# Altium PCB 0.PCB1.PcbDoc (part 3 of 12) (continued)
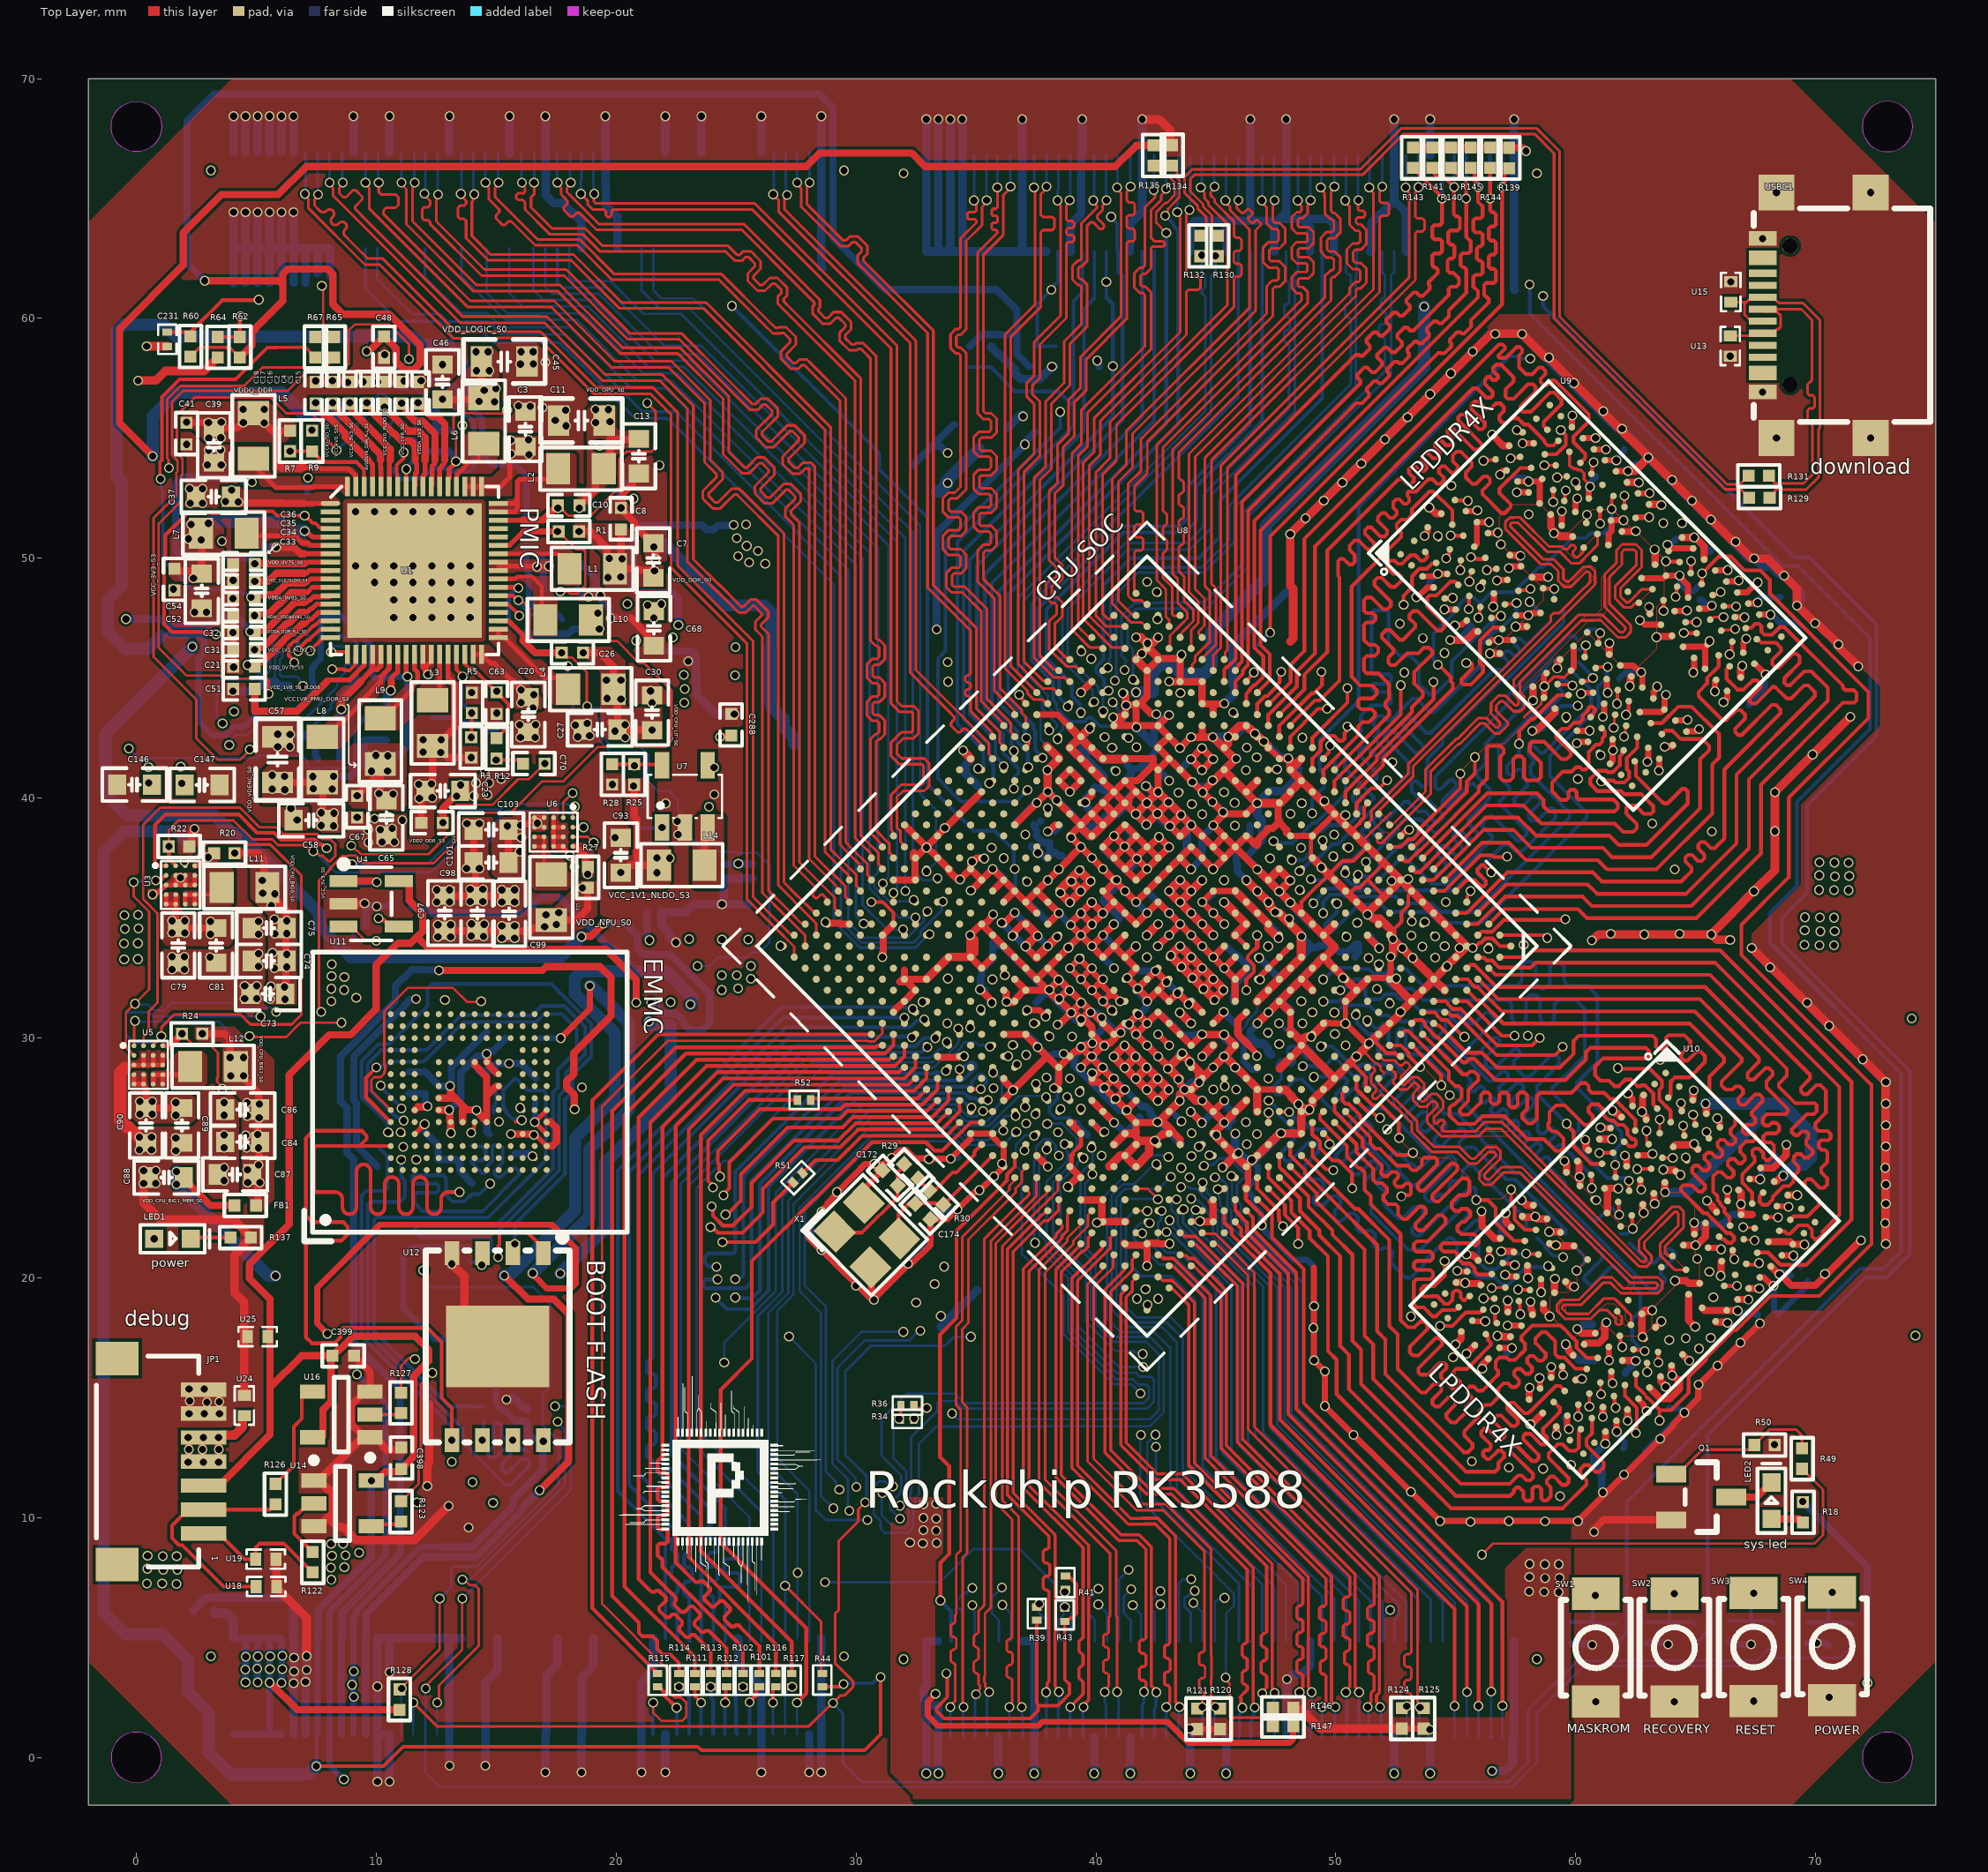
[diagram p0: Top Layer view]
## Nets (pads, with @x,y where several pads share a name; then routed paths per layer and width w, separated by ;. In a path a pad name is that pad's centre, name@x,y a point inside that pad or via, vN(x,y) a via of type N, cw(c..) or ccw(c..) an arc to the next point about the centre after c; other vN are vias at no path point) (continued)
DDR_CH0_DQ0_B: U8.H1 U9.AA2 | length 16.7
  Top Layer w0.156: U8.H1@54.08,37.043 56.22,39.183 57.607,39.183 58.359,38.431 61.412,38.431 61.802,38.041 62.942,38.041 64.676,39.775 64.676,40.269 64.562,40.382 64.433,40.382 63.826,39.776 63.696,39.776 63.644,39.828 ; U9.AA2@62.459,41.534 62.516,41.477 62.516,40.92 63.621,39.815 63.631,39.815
DDR_CH0_DQ1_A: U8.T2 U9.C2 | length 16.1
  Top Layer w0.156: U8.T2@49.944,40.26 49.944,40.718 52.709,43.483 v1@52.709,44.692 ; v1@52.817,48.104 52.817,48.427 53.176,48.787 53.176,49.249 53.486,49.559 53.793,49.559 54.017,49.783 54.162,49.783 U9.C2@54.186,49.807
  Layer 4 w0.142: 52.189,45.559 52.3,45.671 52.863,45.671 53.003,45.811 53.003,45.929 52.881,46.052 52.3,46.052 52.189,46.163 52.189,46.322 52.3,46.433 53.069,46.433 53.152,46.516 53.152,46.731 53.069,46.814 52.3,46.814 52.189,46.925 52.189,47.45 52.817,48.078 v1@52.817,48.114 ; 52.194,45.553 52.145,45.504 52.145,45.283 52.217,45.212 52.382,45.212 52.466,45.129 52.466,44.994 52.189,44.717 52.189,44.466 52.272,44.382 52.39,44.382 v1(52.709,44.701)
  other v1: 52.829,48.055
DDR_CH0_DQ1_B: U8.J2 U9.Y2 | length 19.1
  Top Layer w0.156: U8.J2@53.161,37.043 53.191,37.043 53.325,36.909 53.494,36.909 54.402,37.817 56.276,39.691 57.818,39.691 58.569,38.939 61.622,38.939 61.977,38.585 62.398,38.585 62.546,38.734 62.546,38.913 62.118,39.342 62.118,39.599 62.209,39.69 62.488,39.69 62.543,39.636 62.836,39.342 63.142,39.342 63.234,39.434 63.234,39.663 62.731,40.166 62.013,40.166 61.887,40.291 60.903,40.291 60.612,40.582 60.612,40.812 60.874,41.074 60.934,41.135 61.276,41.135 61.329,41.082 61.551,41.082 61.837,41.367 61.837,41.735 61.934,41.833 61.934,41.895 62,41.96 U9.Y2@61.999,41.993
DDR_CH0_DQ2_A: U8.T1 U9.E2 | length 18.5
  Top Layer w0.156: U8.T1@50.404,40.72 51.455,41.771 51.455,41.862 53.176,43.583 53.176,43.794 53.625,44.243 53.625,44.422 53.266,44.782 53.266,45.245 54.022,46.001 54.022,46.131 53.888,46.264 53.671,46.264 53.446,46.039 52.975,46.039 52.473,45.537 52.284,45.537 52.193,45.629 52.193,45.861 52.405,46.073 52.405,46.203 51.914,46.693 51.914,46.823 52.092,47.001 52.27,47.001 52.669,46.601 52.799,46.601 53.315,47.117 53.315,47.247 53.068,47.494 53.068,47.637 53.229,47.797 53.408,47.797 54.217,46.988 54.397,46.988 54.524,47.115 54.524,47.295 53.805,48.014 53.805,48.338 53.912,48.445 54.2,48.445 54.784,49.029 54.963,49.029 U9.E2@55.105,48.887
DDR_CH0_DQ2_B: U8.J1 U9.V2 | length 17.8
  Top Layer w0.156: U8.J1@53.621,37.502 56.317,40.199 58.387,40.199 58.654,39.932 58.654,39.665 58.871,39.448 61.631,39.448 61.758,39.575 61.758,39.754 61.571,39.942 60.129,39.942 60.037,40.033 60.037,40.252 59.946,40.343 59.786,40.343 59.694,40.252 59.694,40.011 59.603,39.919 59.386,39.919 59.013,40.291 59.013,40.651 59.462,41.1 59.821,41.1 60.001,41.279 60.181,41.279 60.271,41.189 60.413,41.189 60.54,41.317 60.54,41.921 60.848,42.229 60.99,42.229 61.117,42.356 61.117,42.498 61.216,42.597 61.216,42.777 U9.V2@61.08,42.912
DDR_CH0_DQ3_A: U8.R2 U9.F2 | length 16
  Top Layer w0.156: U8.R2@50.404,39.801 50.403,40.262 51.713,41.571 51.713,41.755 54.075,44.117 v1@54.075,44.835 ; v1(55.538,47.88) 55.551,47.894 55.551,48.415 U9.F2@55.565,48.428
  Layer 4 w0.142: v1(54.075,44.845) 54.182,44.845 54.951,45.614 54.951,45.823 55.34,46.212 55.34,46.331 55.166,46.505 55.166,46.785 55.308,46.927 55.455,46.927 55.978,46.404 56.215,46.404 56.309,46.498 56.309,46.647 56.091,46.865 56.091,46.974 56.211,47.094 56.253,47.094 ; v1(55.538,47.88) 55.538,47.902 55.768,48.132 56.039,48.132 56.416,48.509 56.841,48.509 57.092,48.258 57.092,47.97 57.374,47.688 57.374,47.564 56.901,47.09 56.88,47.09 ; 56.257,47.092 56.88,47.092
DDR_CH0_DQ3_B: U8.K2 U9.U2 | length 19.5
  Top Layer w0.156: U8.K2@52.702,37.502 52.732,37.502 52.865,37.369 53.035,37.369 53.489,37.822 53.516,37.822 53.957,38.263 55.964,40.27 55.964,40.475 56.306,40.817 56.306,42.084 56.398,42.176 56.858,42.176 56.992,42.042 56.992,41.862 56.858,41.728 56.858,40.85 56.985,40.723 57.252,40.723 57.397,40.868 57.397,41.62 57.523,41.746 57.719,41.746 57.846,41.619 57.846,40.868 57.973,40.74 58.419,40.74 58.546,40.868 58.546,41.477 58.092,41.931 58.092,42.256 58.183,42.347 58.682,42.347 59.408,41.62 59.624,41.62 59.803,41.799 59.803,41.927 59.193,42.536 59.193,42.662 59.426,42.896 59.683,42.896 59.932,43.145 60.164,43.145 60.291,43.272 60.291,43.444 60.305,43.444 60.536,43.675 60.536,43.749 60.591,43.804 60.709,43.804 60.809,43.703 60.809,43.631 60.737,43.559 60.737,43.488 U9.U2@60.621,43.372
DDR_CH0_DQ4_A: U8.W1 U9.F4 | length 15.9
  Top Layer w0.156: U8.W1@49.025,42.099 49.025,42.516 50.482,43.973 v1(50.482,44.584) ; v1(56.289,49.506) 56.318,49.536 56.673,49.536 U9.F4@56.696,49.559
  Layer 4 w0.142: v1@50.483,44.594 50.574,44.685 50.574,48.026 52.817,50.269 52.817,50.988 53.446,51.616 54.883,51.616 55.332,51.167 55.332,50.936 56.309,49.959 56.309,49.526 v1(56.289,49.506)
DDR_CH0_DQ4_B: U8.F1 U9.U4 | length 14.9
  Top Layer w0.156: U8.F1@55,36.123 55.45,36.574 55.798,36.574 56.052,36.32 56.172,36.32 56.255,36.403 56.255,36.548 55.9,36.904 55.9,37.031 56.077,37.209 56.154,37.209 56.408,36.955 v1@56.458,36.955 ; v1(61.724,43.932) 61.738,43.946 61.738,44.49 U9.U4@61.752,44.503
  Layer 4 w0.142: v1(56.484,36.904) 56.56,36.904 56.755,37.099 56.755,37.217 56.56,37.412 56.56,37.666 56.662,37.768 ; 56.661,37.769 57.308,38.415 58.026,38.415 59.104,39.493 60.427,39.493 61.615,40.681 61.615,41.057 61.977,41.42 61.977,41.936 62.426,42.385 62.426,42.674 62.104,42.996 62.051,42.996 61.727,43.32 61.727,43.929 v1(61.724,43.932)
DDR_CH0_DQ5_A: U8.V2 U9.E4 | length 15.1
  Top Layer w0.156: U8.V2@49.025,41.18 49.025,41.647 49.37,41.992 49.37,42.351 49.613,42.594 49.931,42.594 50.141,42.383 50.271,42.383 50.362,42.475 50.362,42.695 50.433,42.766 50.433,42.932 v1(50.489,42.988) ; v1(55.632,50.047) 55.68,49.998 55.823,49.998 55.862,49.96 56.144,49.96 56.203,50.019 U9.E4@56.237,50.019
  Layer 4 w0.142: v1@50.515,43.076 50.599,43.076 50.726,43.203 50.972,43.203 51.099,43.33 51.099,43.457 50.933,43.624 50.933,43.742 51.016,43.825 51.261,43.825 51.344,43.909 51.344,47.704 53.812,50.172 53.812,50.372 53.977,50.537 54.604,50.537 55.166,49.976 55.213,50.023 55.608,50.023 v1(55.632,50.047)
DDR_CH0_DQ5_B: U8.G2 U9.V4 | length 16.6
  Top Layer w0.156: U8.G2@54.08,36.124 54.535,36.124 56.027,37.615 56.508,37.615 56.584,37.539 57.128,37.539 v1(57.144,37.556) ; v1(62.097,43.47) 62.097,43.539 62.212,43.653 U9.V4@62.212,44.044
  Layer 4 w0.142: v1(57.144,37.556) 57.161,37.539 57.868,37.539 57.936,37.607 59.373,39.044 60.451,39.044 62.336,40.93 62.336,41.828 63.055,42.546 63.055,44.187 62.971,44.27 62.79,44.27 62.707,44.187 62.707,44.143 62.681,44.118 62.681,43.279 62.58,43.178 62.327,43.178 62.206,43.299 62.206,43.319 62.097,43.428 v1(62.097,43.47)
DDR_CH0_DQ6_A: U8.V1 U9.C4 | length 14.2
  Top Layer w0.156: U8.V1@49.484,41.639 49.484,41.678 49.708,41.902 49.708,42.131 v1(49.764,42.187) ; v1(54.789,50.947) 54.793,50.942 55.313,50.942 U9.C4@55.317,50.938
  Layer 4 w0.142: v1@49.746,42.205 v1(49.764,42.187) ; v1@49.778,42.238 49.727,42.289 49.727,42.569 49.651,42.644 49.296,42.644 49.194,42.746 49.194,42.898 49.346,43.051 49.73,43.051 50.186,43.507 50.952,44.273 50.955,44.276 50.955,47.868 53.266,50.18 53.266,51.032 53.547,51.312 54.423,51.312 v1(54.789,50.947)
DDR_CH0_DQ6_B: U8.G1 U9.Y4 | length 20.3
  Top Layer w0.156: U8.G1@54.54,36.583 56.093,38.136 57.217,38.136 57.938,37.415 60.92,37.415 61.31,37.025 63.362,37.025 65.692,39.355 65.692,41.402 65.976,41.686 65.976,42.668 ; U9.Y4@63.131,43.124 63.589,43.124 64.277,43.813 64.831,43.813 65.928,42.716 65.976,42.668 ; 65.933,42.721 65.976,42.677 65.976,42.668
DDR_CH0_DQ7_A: U8.U2 U9.B4 | length 18.5
  Top Layer w0.156: U8.U2@49.484,40.72 49.484,41.172 50.266,41.953 50.931,42.618 50.931,42.985 51.111,43.165 51.397,43.165 51.629,43.397 51.629,43.577 51.501,43.704 51.058,43.704 50.931,43.831 50.931,44.063 51.021,44.153 51.522,44.153 51.702,44.333 51.702,44.512 51.522,44.692 51.021,44.692 50.661,45.051 50.661,48.822 52.727,50.888 52.727,51.068 52.547,51.247 52.547,51.427 52.727,51.607 52.985,51.607 53.176,51.797 53.176,52.056 53.895,52.774 54.074,52.774 54.858,51.99 U9.B4@54.858,51.398
DDR_CH0_DQ7_B: U8.H2 U9.AA4 | length 18.8
  Top Layer w0.156: U8.H2@53.621,36.583 54.08,36.583 54.858,37.361 56.172,38.675 57.397,38.675 58.148,37.923 61.13,37.923 61.52,37.533 63.152,37.533 65.184,39.565 65.184,41.612 65.569,41.997 65.569,42.177 65.29,42.456 64.392,42.456 64.042,42.806 63.731,42.806 U9.AA4@63.59,42.665
DDR_CH0_DQ8_A: U8.AB2 U9.B11 | length 29.3
  Top Layer w0.156: U8.AB2@47.186,43.018 47.186,43.474 48.327,44.615 48.382,44.67 48.382,45.285 49.135,46.039 49.135,50.5 55.717,57.082 55.884,57.082 56.268,56.698 56.451,56.698 56.542,56.79 56.542,56.937 56.22,57.26 56.22,57.47 56.311,57.562 56.413,57.562 56.544,57.43 56.674,57.43 56.766,57.522 56.766,57.599 56.564,57.801 56.564,57.958 56.678,58.072 56.884,58.072 57.41,57.546 57.41,57.367 57.074,57.031 57.074,56.744 57.165,56.653 57.414,56.653 58.014,57.252 58.217,57.252 58.332,57.137 58.332,56.957 57.7,56.325 57.7,56.205 57.7,56.196 57.792,56.104 58.122,56.104 58.923,56.905 59.103,56.905 59.408,56.6 59.408,56.42 58.671,55.683 58.671,55.503 U9.B11@58.817,55.357
DDR_CH0_DQ8_B: U8.D2 U9.AA11 | length 28.7
  Top Layer w0.156: U8.D2@55.459,34.745 55.914,34.745 57.06,35.891 60.289,35.891 60.679,35.501 64.82,35.501 67.216,37.897 67.216,40.771 70.508,44.063 70.508,44.602 69.824,45.286 69.527,45.286 68.948,44.707 68.8,44.707 68.699,44.808 68.699,44.996 69.334,45.631 69.334,45.898 69.209,46.023 69.059,46.023 68.47,45.433 68.34,45.433 68.191,45.583 68.191,45.756 68.565,46.131 68.565,46.26 68.351,46.475 67.734,46.475 67.607,46.601 U9.AA11@67.537,46.601
DDR_CH0_DQ9_A: U8.AB1 U9.C11 | length 29.3
  Top Layer w0.156: U8.AB1@47.646,43.478 48.686,44.518 48.686,45.13 49.645,46.089 49.645,50.321 52.619,53.294 52.776,53.294 52.978,53.093 53.136,53.093 53.247,53.204 53.247,53.362 53.046,53.564 53.046,53.721 53.158,53.833 53.315,53.833 53.517,53.632 53.675,53.632 53.786,53.743 53.786,53.901 53.585,54.102 53.585,54.26 53.696,54.372 53.854,54.372 54.056,54.17 54.213,54.17 54.325,54.282 54.325,54.44 54.124,54.641 54.124,54.799 54.235,54.911 54.393,54.911 54.594,54.709 54.752,54.709 54.864,54.821 54.864,54.979 54.662,55.18 54.662,55.338 54.747,55.422 54.877,55.422 55.765,54.534 55.958,54.534 56.072,54.648 56.072,54.778 55.181,55.67 ; 55.178,55.672 55.112,55.738 55.112,55.893 55.204,55.984 55.369,55.984 55.968,55.385 56.109,55.385 56.211,55.487 56.211,55.666 55.656,56.221 55.656,56.401 55.783,56.528 55.962,56.528 56.267,56.224 56.446,56.224 56.678,56.456 56.858,56.456 57.002,56.312 57.002,56.133 56.822,55.953 56.822,55.773 56.948,55.648 57.127,55.648 57.307,55.827 57.599,55.827 57.85,55.576 58.02,55.576 58.705,54.891 58.705,54.825 58.832,54.698 59.077,54.698 U9.C11@59.277,54.898
DDR_CH0_DQ9_B: U8.C1 U9.Y11 | length 27.8
  Top Layer w0.156: U8.C1@56.379,34.745 57.004,35.37 60.091,35.37 60.468,34.993 65.03,34.993 67.724,37.687 67.724,40.561 71.137,43.973 71.614,43.973 71.706,44.065 71.706,44.384 71.589,44.501 71.239,44.501 71.147,44.593 71.147,44.615 ; U9.Y11@67.091,47.084 67.114,47.108 67.33,47.108 67.49,47.267 67.639,47.267 67.741,47.166 67.741,46.932 67.865,46.808 68.188,46.808 68.514,47.134 68.694,47.134 71.137,44.692
DDR_CH0_DQ10_A: U8.AC1 U9.E11 | length 29.1
  Top Layer w0.156: U8.AC1@47.186,43.937 47.222,43.937 48.124,44.838 48.124,45.566 48.686,46.128 48.686,50.798 56.801,58.913 56.956,58.913 57.053,58.817 57.053,58.73 56.778,58.456 56.778,58.408 56.839,58.347 57.078,58.347 57.539,58.808 57.669,58.808 57.766,58.71 57.766,58.58 57.634,58.448 57.634,57.966 57.929,57.671 58.188,57.671 58.45,57.933 58.455,57.933 58.474,57.952 58.603,57.952 58.742,57.813 58.742,57.679 58.537,57.474 58.537,57.345 58.653,57.229 58.803,57.229 58.991,57.417 59.12,57.417 59.346,57.191 ; 59.351,57.196 60.54,56.007 60.54,55.702 59.911,55.073 59.911,54.839 60.394,54.356 60.394,54.177 U9.E11@60.196,53.979
DDR_CH0_DQ10_B: U8.C2 U9.V11 | length 24
  Top Layer w0.156: U8.C2@55.919,34.285 55.938,34.285 56.082,34.429 56.242,34.429 56.246,34.425 56.519,34.425 57.016,34.921 v1@59.57,34.921 ; U9.V11@66.171,48.004 66.178,47.996 66.674,47.996 v1(66.681,47.989)
  Layer 4 w0.142: v1(59.572,34.948) 60.327,34.948 68.301,42.923 68.301,45.939 68.301,46.01 ccw(c68.141,46.01) 68.141,46.17 67.639,46.17 cw(c67.639,46.331) 67.639,46.491 68.141,46.491 ccw(c68.141,46.651) 68.301,46.651 68.301,47.079 68.301,47.108 68.193,47.216 67.965,47.216 67.145,48.036 66.728,48.036 v1(66.681,47.989)
DDR_CH0_DQ11_A: U8.AC2 U9.F11 | length 25.7
  Top Layer w0.156: U8.AC2@46.727,43.477 46.727,43.929 47.054,44.257 47.146,44.257 47.554,44.665 47.554,44.727 47.663,44.836 47.663,45.213 v1(47.719,45.27) ; U9.F11@60.656,53.519 60.68,53.543 60.68,53.847 60.751,53.919 v1(60.751,53.998)
  Layer 4 w0.142: v1(47.719,45.27) 47.66,45.328 47.66,49.746 55.727,57.813 57.451,57.813 59.532,55.732 59.536,55.732 59.702,55.567 59.705,55.567 59.767,55.505 59.767,55.497 59.912,55.352 59.912,54.681 60.656,53.937 60.718,53.998 v1(60.751,53.998)
DDR_CH0_DQ11_B: U8.B1 U9.U11 | length 23.7
  Top Layer w0.156: U8.B1@56.838,34.285 58.755,34.285 v1@58.844,34.195 ; U9.U11@65.712,48.463 65.735,48.487 65.877,48.487 65.978,48.588 v1(66.047,48.588)
  Layer 4 w0.142: v1@58.847,34.222 60.14,34.222 68.63,42.712 68.63,47.683 67.733,48.58 67.693,48.58 66.055,48.58 v1(66.047,48.588)
  other v1: 58.815,34.167
DDR_CH0_DQ12_A: U8.Y1 U9.F9 | length 24
  Top Layer w0.156: U9.F9@59.525,52.388 59.548,52.411 59.548,52.795 v1(59.583,52.83)
  Layer 4 w0.142: v1(48.61,42.513) 48.871,42.773 48.871,42.891 48.762,43 48.127,43 48,43.127 48,43.305 48.127,43.432 48.838,43.432 48.965,43.559 48.965,44.626 49.118,44.778 49.626,44.778 49.791,44.943 49.791,48.244 51.989,50.442 51.989,51.161 55.132,54.304 55.311,54.304 55.614,54.001 55.614,53.843 55.412,53.642 55.412,53.484 55.524,53.372 55.682,53.372 55.883,53.574 56.041,53.574 56.153,53.462 56.153,53.305 55.951,53.103 55.951,52.945 56.063,52.834 56.221,52.834 56.422,53.035 56.58,53.035 57.461,52.154 57.652,52.154 58.005,52.508 58.185,52.508 58.365,52.328 58.498,52.328 58.983,52.813 59.566,52.813 v1(59.583,52.83)
DDR_CH0_DQ12_B: U8.F2 U9.U9 | length 24.8
  Top Layer w0.156: U9.U9@64.58,47.332 64.582,47.333 65.039,47.333 v1(65.041,47.334)
  Layer 4 w0.142: v1(54.579,35.659) 54.593,35.674 57.583,35.674 58.529,36.619 59.103,36.619 62.754,40.27 63.203,40.27 64.273,41.341 64.273,41.459 64.028,41.705 64.028,41.928 64.111,42.011 64.229,42.011 64.51,41.73 64.637,41.73 64.759,41.852 64.759,42.025 63.898,42.886 63.898,43.084 64.01,43.196 64.144,43.196 64.924,42.416 65.348,42.416 65.775,42.843 65.775,42.868 65.775,43.777 65.539,44.014 65.359,44.014 64.989,43.644 64.846,43.644 64.72,43.77 64.72,43.913 65.011,44.204 65.011,44.362 64.222,45.151 64.222,45.564 64.671,46.013 64.671,46.498 65.04,46.867 v1(65.041,47.334)
DDR_CH0_DQ13_A: U8.Y2 U9.E9 | length 25.1
  Top Layer w0.156: U8.Y2@48.105,42.099 48.105,42.566 49.256,43.716 v1(49.638,43.716) ; v1(59.066,52.347) U9.E9@59.065,52.847
  Layer 4 w0.142: v1@49.639,43.726 49.621,43.744 49.621,44.352 50.192,44.923 50.192,48.183 52.458,50.449 52.458,51.198 54.725,53.465 55.01,53.465 56.285,52.19 56.443,52.19 56.644,52.391 56.802,52.391 56.914,52.279 56.914,52.122 56.712,51.92 56.712,51.763 56.869,51.606 56.987,51.606 57.093,51.712 57.302,51.92 57.474,51.92 57.632,51.763 57.632,51.603 57.386,51.357 57.386,51.089 58.307,50.168 58.78,50.168 58.968,50.356 58.968,50.488 58.816,50.64 58.493,50.64 58.432,50.701 58.432,50.894 58.554,51.016 58.554,51.178 ; 58.554,51.189 58.554,51.178 ; v1(59.066,52.347) 59.066,52.207 58.385,51.527 58.385,51.347 58.554,51.178
DDR_CH0_DQ13_B: U8.E1 U9.V9 | length 23
  Top Layer w0.156: U8.E1@55.459,35.664 55.487,35.691 55.487,35.917 ; v1(64.507,46.881) 64.512,46.877 65.035,46.877 U9.V9@65.04,46.872
  Layer 4 w0.142: v1@55.671,36.091 56.012,36.091 56.096,36.175 56.096,36.414 56.179,36.498 56.357,36.498 56.458,36.396 56.458,36.149 56.542,36.066 56.731,36.066 56.814,36.149 56.814,36.498 56.907,36.591 57.025,36.591 57.347,36.269 57.347,36.262 57.431,36.178 57.549,36.178 57.71,36.339 57.71,36.497 57.25,36.956 57.25,37.075 57.333,37.158 57.587,37.158 57.979,36.766 58.137,36.766 58.236,36.866 58.236,37.031 58.059,37.209 58.059,37.336 58.177,37.455 58.295,37.455 58.77,36.98 58.926,36.98 59.104,37.158 59.104,37.316 58.722,37.697 58.722,37.855 58.834,37.966 58.992,37.966 59.373,37.585 59.531,37.585 59.642,37.697 59.642,37.855 59.261,38.236 59.261,38.394 59.373,38.505 59.531,38.505 59.912,38.124 60.07,38.124 62.626,40.681 62.626,41.683 63.504,42.561 63.504,43.355 64.136,43.986 64.136,44.483 63.781,44.837 63.781,46.155 v1(64.507,46.881)
  other v1: 55.62,36.129
DDR_CH0_DQ14_A: U8.AA1 U9.C9 | length 28.7
  Top Layer w0.156: U8.AA1@48.105,43.018 48.105,43.054 49.125,44.073 49.325,44.073 50.153,44.902 50.153,49.212 50.101,49.265 50.101,49.885 50.192,49.977 50.322,49.977 50.555,49.744 50.685,49.744 50.787,49.846 50.787,50.134 50.572,50.349 50.572,50.529 50.789,50.746 50.947,50.746 51.328,50.365 51.486,50.365 51.597,50.477 51.597,50.634 51.216,51.016 51.216,51.173 51.328,51.285 51.486,51.285 51.867,50.904 52.024,50.904 52.136,51.016 52.136,51.173 51.755,51.554 51.755,51.715 51.922,51.882 52.052,51.882 52.247,51.687 52.394,51.687 52.543,51.835 52.543,51.965 52.397,52.111 52.397,52.335 52.52,52.458 52.65,52.458 52.838,52.27 52.967,52.27 53.062,52.365 53.062,52.53 52.988,52.605 52.988,52.735 53.034,52.782 53.352,52.782 53.871,53.3 ; 53.877,53.295 54.034,53.295 54.228,53.101 54.358,53.101 54.498,53.24 54.498,53.37 54.304,53.564 54.304,53.722 54.415,53.833 54.548,53.833 54.828,53.554 54.929,53.554 55.082,53.706 55.082,53.836 54.876,54.041 54.876,54.173 54.884,54.181 54.884,54.298 55.026,54.44 ; 55.026,54.444 55.206,54.444 55.673,53.977 55.673,53.834 55.421,53.582 55.421,53.367 55.688,53.099 55.846,53.099 56.155,53.409 56.313,53.409 56.425,53.297 56.425,53.139 56.116,52.83 56.116,52.672 56.908,51.879 57.038,51.879 57.286,52.127 57.286,52.257 56.822,52.72 56.822,52.9 57.689,53.766 U9.C9@58.146,53.766
DDR_CH0_DQ14_B: U8.E2 U9.Y9 | length 29.1
  Top Layer w0.156: U8.E2@55,35.204 55.458,35.204 57.161,36.907 60.709,36.907 61.099,36.517 64.399,36.517 64.828,36.946 64.828,37.104 64.572,37.359 64.572,37.517 64.684,37.628 64.842,37.628 65.097,37.373 65.255,37.373 65.366,37.485 65.366,37.642 65.111,37.898 65.111,38.055 65.223,38.167 65.38,38.167 65.636,37.912 65.794,37.912 66.2,38.318 66.2,41.192 68.532,43.524 68.532,43.704 68.353,43.883 68.173,43.883 66.916,42.626 66.774,42.626 66.646,42.753 66.646,42.896 67.06,43.309 67.06,43.488 66.88,43.668 66.7,43.668 66.287,43.255 66.108,43.255 65.12,44.243 65.12,44.422 65.479,44.782 65.479,45.01 65.959,45.49 U9.Y9@65.959,45.953
DDR_CH0_DQ15_A: U8.AA2 U9.B9 | length 24.4
  Top Layer w0.156: U8.AA2@47.646,42.558 47.646,43.018 49.003,44.375 49.088,44.375 49.429,44.716 49.429,45.229 v1(49.393,45.265) ; v1(57.29,54.167) 57.325,54.202 57.662,54.202 U9.B9@57.686,54.226
  Layer 4 w0.142: v1(49.393,45.265) 49.43,45.302 49.43,48.664 49.557,48.791 49.722,48.791 49.834,48.902 49.834,49.06 49.623,49.271 49.623,49.428 49.735,49.54 49.893,49.54 50.103,49.329 50.261,49.329 50.373,49.441 50.373,49.599 50.162,49.809 50.162,49.967 50.324,50.129 50.482,50.129 50.692,49.918 50.85,49.918 50.962,50.03 50.962,50.188 50.751,50.398 50.751,50.556 50.863,50.668 51.02,50.668 51.231,50.457 51.389,50.457 51.5,50.569 51.5,50.726 51.29,50.937 51.29,51.095 55.026,54.831 55.778,55.583 56.057,55.583 56.14,55.5 56.14,55.382 55.436,54.678 55.436,54.56 55.566,54.43 55.696,54.43 56.076,54.809 56.194,54.809 56.249,54.754 56.249,54.607 56.333,54.524 56.451,54.524 56.57,54.643 56.688,54.643 56.771,54.56 56.771,54.419 56.56,54.208 56.56,54.035 56.643,53.951 57.053,53.951 57.268,54.167 v1(57.29,54.167)
DDR_CH0_DQ15_B: U8.D1 U9.AA9 | length 26.9
  Top Layer w0.156: U8.D1@55.919,35.204 57.113,36.399 60.499,36.399 60.889,36.009 64.609,36.009 66.708,38.108 66.708,40.981 69.969,44.243 69.969,44.422 69.7,44.692 69.52,44.692 68.981,44.153 68.802,44.153 68.328,44.627 68.198,44.627 67.511,43.94 67.338,43.94 67.246,44.031 67.246,44.161 67.709,44.624 67.709,44.754 67.558,44.905 67.38,44.905 66.999,44.524 66.745,44.524 66.288,44.981 66.288,45.007 ; 66.287,45.009 66.287,45.362 U9.AA9@66.419,45.493
DDR_CH0_DQS0N_A: U8.U4 U9.E3 | length 17.1
  Top Layer w0.112: v1(55.569,49.029) 55.598,49.057 55.598,49.334 55.671,49.408 U9.E3@55.671,49.453
  Layer 4 w0.105: v1@48.584,39.762 48.549,39.797 47.571,39.797 46.878,40.49 46.878,40.623 46.941,40.686 47.028,40.686 47.226,40.488 47.784,40.488 47.934,40.638 48.257,40.638 48.656,41.037 50.03,41.037 53.458,44.465 53.458,45.656 54.194,46.391 54.194,46.928 53.638,47.484 53.638,47.716 53.935,48.013 54.726,48.804 55.491,48.804 v1@55.521,48.834
  other v1: 48.582,39.784
DDR_CH0_DQS0N_B: U8.J7 U9.V3 | length 18.4
  Top Layer w0.112: v1(61.58,42.935) 61.614,42.969 61.614,43.446 U9.V3@61.646,43.478
  Layer 4 w0.105: v1@50.829,34.761 50.829,34.642 50.769,34.582 50.769,34.479 50.83,34.417 51.406,34.417 51.552,34.563 52.017,34.563 52.548,35.095 52.548,35.523 54.622,37.597 54.635,37.597 55.523,38.485 55.611,38.573 55.611,38.66 55.451,38.82 55.451,39.045 55.775,39.37 56,39.37 56.485,38.885 56.505,38.885 56.685,39.065 56.685,39.085 56.2,39.57 56.2,39.795 56.525,40.12 56.75,40.12 57.235,39.635 57.255,39.635 57.435,39.814 57.435,39.834 57.299,39.97 57.299,40.261 57.485,40.447 58.35,41.313 59.737,41.313 60.996,42.572 61.349,42.572 61.522,42.745 61.522,42.877 v1(61.58,42.935)
  other v1: 50.895,34.801
DDR_CH0_DQS0P_A: U8.U5 U9.D3 | length 17.5
  Top Layer w0.112: v1(55.188,49.502) 55.188,49.89 U9.D3@55.211,49.913
  Layer 4 w0.105: 48.234,39.535 48.179,39.59 47.453,39.59 46.624,40.419 46.624,40.739 46.801,40.917 47.167,40.917 47.345,40.739 47.688,40.739 47.827,40.879 48.203,40.879 48.567,41.243 49.944,41.243 53.23,44.529 53.23,45.719 53.988,46.477 53.988,46.842 53.431,47.399 53.431,47.83 54.693,49.091 55.119,49.091 55.181,49.153 v1@55.181,49.495
  other v1: 48.115,39.339
DDR_CH0_DQS0P_B: U8.J8 U9.W3 | length 18.7
  Top Layer w0.112: v1(62.02,42.561) 62.073,42.614 62.073,42.986 U9.W3@62.106,43.018
  Layer 4 w0.105: v1(50.444,34.21) 50.501,34.152 51.516,34.152 51.662,34.298 52.043,34.298 52.231,34.486 52.315,34.486 52.814,34.985 52.814,35.413 54.81,37.409 54.81,37.422 55.698,38.31 55.858,38.471 55.858,38.763 55.698,38.923 55.698,38.943 55.878,39.123 55.898,39.123 56.383,38.638 56.608,38.638 56.932,38.963 56.932,39.187 56.447,39.672 56.447,39.692 56.627,39.872 56.647,39.872 57.132,39.387 57.357,39.387 57.682,39.712 57.682,39.937 57.547,40.072 57.547,40.159 57.66,40.272 58.453,41.065 59.782,41.065 61.082,42.365 61.787,42.365 61.889,42.467 61.926,42.467 v1(62.02,42.561)
DDR_CH0_DQS1N_A: U8.AA4 U9.E10 | length 24.8
  Top Layer w0.112: v1(59.227,53.365) 59.252,53.389 59.607,53.389 U9.E10@59.631,53.413
  Layer 4 w0.105: v1(46.702,41.7) 46.76,41.758 46.896,41.758 47.519,42.381 47.519,43.534 48.441,44.456 48.441,49.126 56.222,56.907 56.775,56.907 57.588,56.093 58.325,55.357 59.111,54.57 59.227,54.454 v1(59.227,53.365)
DDR_CH0_DQS1N_B: U8.F4 U9.V10 | length 25
  Top Layer w0.112: U9.V10@65.606,47.438 65.651,47.438 65.757,47.543 v1(66.162,47.543)
  Layer 4 w0.105: v1(53.709,34.836) 53.709,35.231 53.923,35.446 54.058,35.446 54.378,35.126 54.66,35.126 54.776,35.126 54.837,35.187 54.837,35.318 54.978,35.459 55.411,35.459 55.552,35.318 55.552,34.835 55.566,34.821 55.821,34.821 55.835,34.835 55.835,35.318 55.976,35.459 56.409,35.459 56.55,35.318 56.55,35.187 56.611,35.126 56.954,35.126 57.728,35.126 58.742,36.14 59.233,36.14 59.533,36.44 60.223,37.131 60.498,37.131 60.776,36.852 60.814,36.852 61.156,37.194 61.156,37.232 60.877,37.51 60.877,37.785 61.926,38.833 62.789,39.696 62.882,39.696 ; 62.882,39.696 63.222,39.696 63.511,39.986 63.511,39.987 66.803,43.278 66.803,43.474 66.557,43.72 66.557,44.54 65.851,45.246 65.851,46.228 65.927,46.304 65.927,46.971 66.137,47.181 66.137,47.519 v1(66.162,47.543)
DDR_CH0_DQS1P_A: U8.AA5 U9.D10 | length 25.7
  Top Layer w0.112: v1(58.693,53.876) 58.695,53.874 59.169,53.874 U9.D10@59.171,53.872
  Layer 4 w0.105: v1@46.138,41.252 46.164,41.278 46.773,41.278 47.726,42.23 47.726,43.449 48.648,44.371 48.648,49.04 56.307,56.7 56.689,56.7 57.442,55.947 58.179,55.211 58.216,55.174 58.416,54.974 58.416,54.887 58.213,54.684 58.213,54.664 58.393,54.484 58.413,54.484 58.616,54.687 58.703,54.687 58.739,54.651 58.776,54.614 59.018,54.371 59.018,54.214 59.016,54.212 59.016,53.867 58.955,53.805 58.894,53.805 58.882,53.818 58.671,53.818 v1@58.666,53.823
  other v1: 46.256,41.161
DDR_CH0_DQS1P_B: U8.F5 U9.W10 | length 25.4
  Top Layer w0.112: U9.W10@66.065,46.978 66.097,47.01 66.616,47.01 v1(66.655,47.05)
  Layer 4 w0.105: v1(53.153,34.265) 53.246,34.265 53.449,34.467 53.869,34.467 54.312,34.91 54.66,34.91 54.865,34.91 55.053,35.098 55.053,35.229 55.067,35.243 55.322,35.243 55.336,35.229 55.336,34.745 55.477,34.605 55.91,34.605 56.051,34.745 56.051,35.229 56.065,35.243 56.319,35.243 56.334,35.229 56.334,35.098 56.522,34.91 56.954,34.91 57.83,34.91 58.833,35.913 59.327,35.913 59.693,36.28 60.317,36.904 60.404,36.904 60.683,36.625 60.908,36.625 61.382,37.1 61.382,37.325 61.104,37.604 61.104,37.691 62.086,38.673 62.883,39.469 63.139,39.469 ; 63.164,39.469 63.316,39.469 64.188,40.341 64.2,40.341 67.009,43.15 67.009,43.6 66.764,43.845 66.764,44.644 66.072,45.337 66.072,46.137 66.148,46.213 66.148,46.88 66.293,47.025 66.631,47.025 v1(66.655,47.05)
DDR_CH0_LP4/4X_CKE0_A: R87.1 U8.P7 | length 21.6
  Bottom Layer w0.156: v1(48.49,36.949) 48.523,36.949 49.075,37.501 49.279,37.501 49.865,38.087 50.105,38.087 53.061,41.043 53.061,41.467 52.052,42.477 52.052,42.647 52.214,42.81 52.387,42.81 53.301,41.895 53.504,41.895 53.65,42.041 53.65,42.171 52.806,43.015 52.806,43.145 52.974,43.312 53.179,43.312 53.774,42.718 53.965,42.718 56.59,45.343 56.944,45.343 57.175,45.575 57.175,45.704 56.985,45.894 56.985,46.024 57.095,46.133 57.224,46.133 57.414,45.943 57.544,45.943 57.654,46.054 57.654,46.211 57.553,46.312 ; 57.536,46.322 57.46,46.397 57.46,46.527 57.566,46.632 57.711,46.632 57.899,46.444 58.028,46.444 58.941,47.358 R87.1@58.958,47.358
DDR_CH0_LP4/4X_CKE0_B: R88.1 U8.L5 | length 20.5
  Bottom Layer w0.156: v1(50.927,36.796) 50.983,36.74 51.111,36.74 51.124,36.726 51.498,36.726 51.801,37.03 51.801,37.178 52.7,38.076 52.975,38.076 53.492,38.593 53.629,38.593 53.733,38.489 53.733,38.359 53.347,37.973 53.347,37.646 54.127,36.866 54.363,36.866 54.593,37.096 54.593,37.276 54.234,37.635 54.234,37.814 54.413,37.994 54.593,37.994 54.952,37.635 55.132,37.635 55.261,37.764 55.261,37.944 54.902,38.303 54.902,38.482 55.044,38.625 55.224,38.625 55.583,38.265 55.762,38.265 55.89,38.393 55.89,38.572 55.53,38.931 55.53,39.111 56.428,40.009 56.428,40.368 55.89,40.907 55.89,41.087 56.249,41.446 56.249,42.272 57.776,43.799 57.776,44.432 58.544,45.2 58.544,45.25 59.075,45.78 59.168,45.78 59.277,45.889 59.378,45.889 R88.1@59.413,45.854